# KiCad board BMS-Master.kicad_pcb (continued)
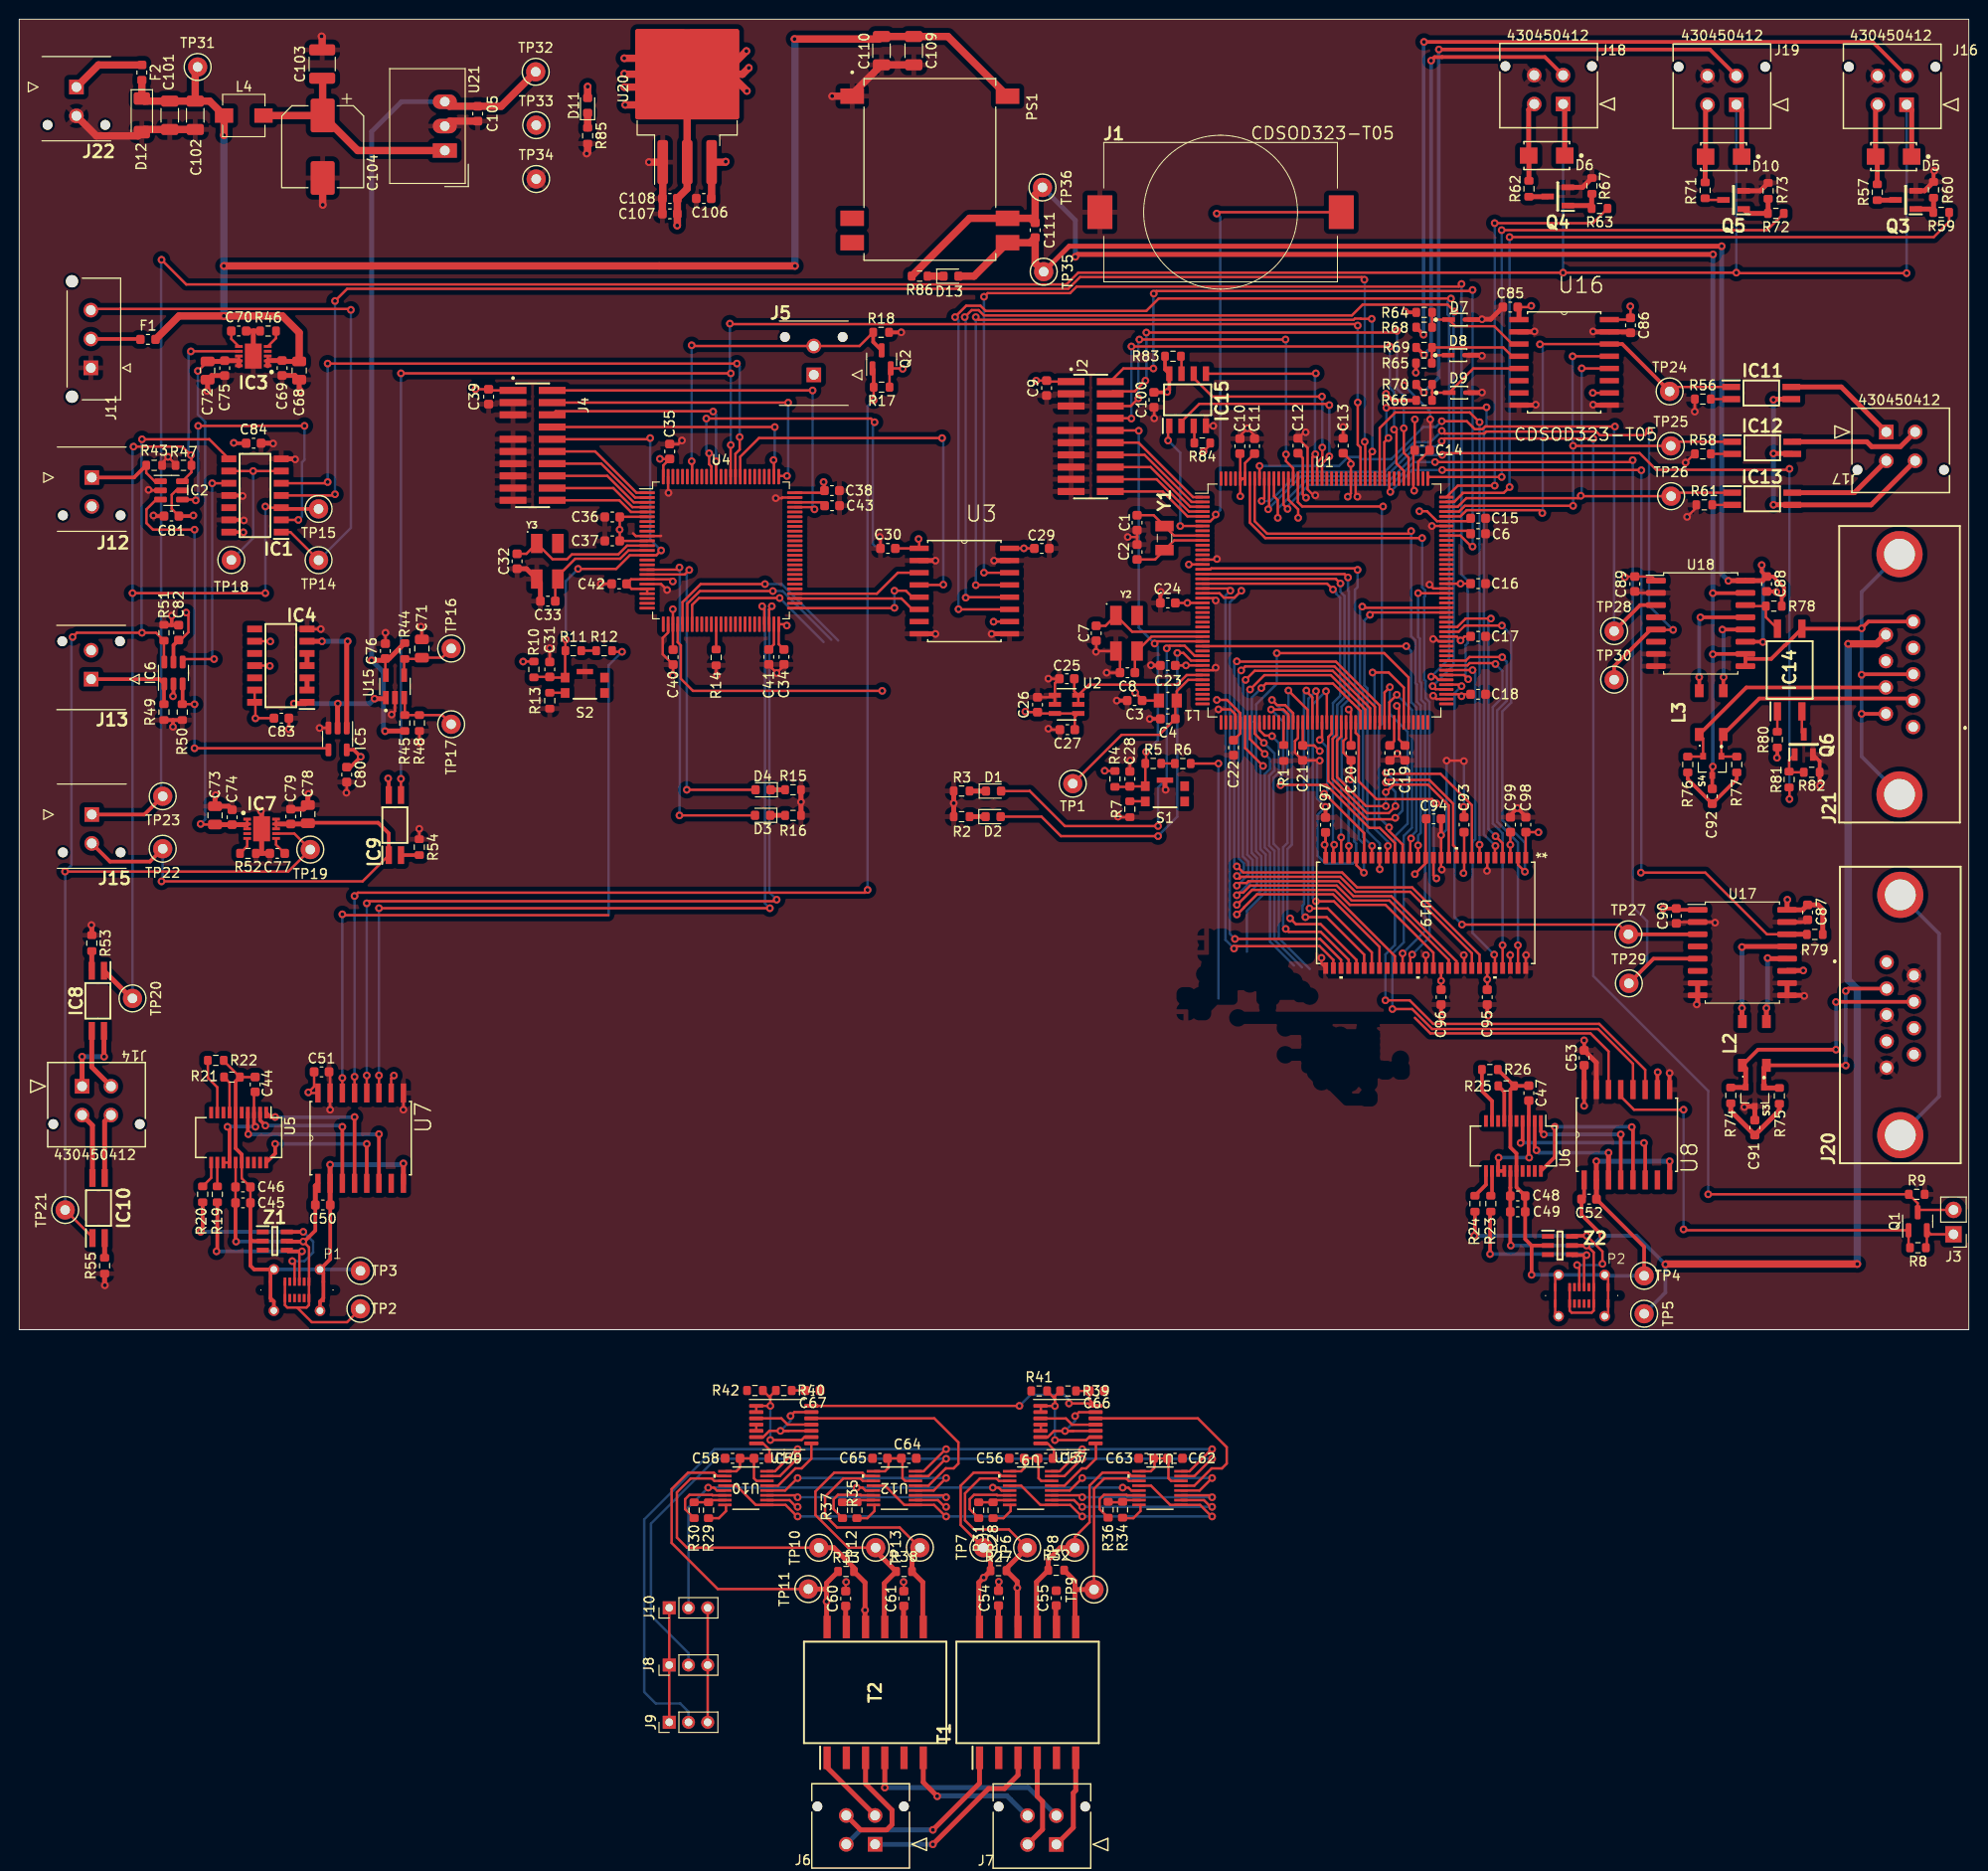
[diagram p0: board, top side]
## Routing (per net, layer and track width the routed paths; a pad name or vN(x,y) marks a point on that pad's centre or on a via; arc(x,y) is an arc through that point) (continued)
/CAN0_interface/CAN0.RX: length 105.5
  Top w0.254: U1.163 131.45,85.77 v1(131.87,85.36) ; v1(147.21,90.23) 167.56,90.23 v1(167.75,90.43)
  Top w0.381: TP29.1 169.92,38.58 U17.5
  Bottom w0.254: TP29.1 169.25,37.91 169.25,42.48 167.75,43.98 v1(167.75,90.43) ; v1(147.21,90.23) 145.01,90.23 142.64,87.85 134.09,87.85 131.87,85.63 v1(131.87,85.36)
/CAN0_interface/CAN0.TRANS_STBY_CTRL: length 90.3
  Top w0.254: U17.14 181.71,41.12 175.31,47.53 v1(168.61,47.53) ; U1.141 142.45,87.23 v1(142.56,87.13) ; v1(147.95,89.4) 168.63,89.4 v1(168.66,89.38)
  Top w0.508: R79.1 185.84,41.12 U17.14
  Bottom w0.254: v1(147.95,89.4) 144.83,89.4 v1(142.56,87.13) ; v1(168.61,47.53) 168.66,47.58 v1(168.66,89.38)
/CAN0_interface/CAN0.TX: length 52
  Top w0.254: TP27.1 166.3,42.13 v1(150,42.13) ; v1(149.96,66.93) 149.8,67.08 U1.93
  Top w0.381: TP27.1 174.5,41.11 U17.3
  Bottom w0.254: v1(149.96,66.93) 149.23,66.19 149.23,42.9 v1(150,42.13)
/CAN0_interface/CAN0_H: length 27.5
  Top w0.381: v1(188.89,34.07) 188.91,34.09 197,34.09 ; v1(188.89,29.12) 180.79,29.12 L2.1
  Top w0.508: R74.1 179.46,25.19 S3.2 179.5,27.14 L2.1
  Bottom w0.381: v1(188.89,29.12) v1(188.89,34.07)
/CAN0_interface/CAN0_L: length 24.4
  Top w0.381: L2.2 189.89,27.49 v1(189.91,27.47) ; v1(189.91,35.22) 190.16,35.47 J20.2
  Top w0.508: R75.1 181.49,25.14 S3.1 181.4,27.24 L2.2
  Bottom w0.381: v1(189.91,27.47) v1(189.91,35.22)
/CAN0_interface/CAN1.RX: length 77.2
  Top w0.254: v1(147.91,93.48) 148.19,93.19 152.32,93.19 152.53,93.4 163.96,93.4 164.33,93.03 169,93.03 v1(169.46,93.48) ; U1.167 129.45,86.45 v1(129.18,86.18) ; v1(171.96,72.78) 170.21,72.78 U18.5
  Top w0.381: U18.5 169.64,72.81 165.83,69 TP30.1
  Bottom w0.254: v1(147.91,93.48) 146.74,92.31 145.06,92.31 141.97,89.22 133.09,89.22 130.05,86.18 v1(129.18,86.18) ; v1(169.46,93.48) 169.46,75.28 v1(171.96,72.78)
/CAN0_interface/CAN1.TRANS_STBY_CTRL: length 97.1
  Top w0.254: v1(147.95,90.98) 148.12,91.15 168.48,91.15 170.21,89.43 183.95,89.43 v1(184.06,89.53) ; v1(130.86,84.43) 130.86,86.28 130.45,86.68 U1.165 ; v1(184.06,55.18) 184.06,56.35 184.01,56.39
  Bottom w0.254: v1(147.95,90.98) 145.11,90.98 144.36,90.23 144.36,90.21 142.45,88.31 133.79,88.31 130.86,85.37 v1(130.86,84.43) ; v1(184.06,89.53) v1(184.06,55.18)
/CAN0_interface/CAN1.TX: length 67.6
  Top w0.254: U1.168 128.95,89.82 v1(128.96,89.83) ; v1(165.91,93.93) 152.41,93.93 152.13,93.65 151.33,93.65 150.51,94.48 v1(147.91,94.48)
  Top w0.381: TP28.1 168.53,75.35 U18.3
  Bottom w0.254: v1(147.91,94.48) 147.88,94.48 147.28,93.88 145.99,93.88 142.64,90.53 139.5,90.53 139.28,90.75 138.15,90.75 137.22,89.83 v1(128.96,89.83) ; TP28.1 165.83,93.85 v1(165.91,93.93)
/CAN0_interface/CAN1_H: length 25.5
  Top w0.254: R76.1 175.04,59.6 S4.2 175.08,61.5 L3.1
  Top w0.381: J21.7 179.56,66.79 L3.1
/CAN0_interface/CAN1_L: length 25.3
  Top w0.254: R77.1 177.01,59.6 S4.1 176.98,61.7 L3.2
  Top w0.381: L3.2 180.92,65.64 196.69,65.64 J21.2
/Contactors/Contactor_ctrl0: length 80.6
  Top w0.254: v1(154.96,87.63) 154.36,87.03 150.06,87.03 150.06,86.94 149.22,86.1 148.4,86.1 U1.131 ; v1(154.96,113.62) 199.05,113.62 200.66,115.23 R59.1
  Bottom w0.254: v1(154.96,113.62) v1(154.96,87.63)
/Contactors/Contactor_ctrl1: length 45.2
  Top w0.254: R63.1 163.61,115.08 v1(153.41,115.08) ; v1(153.41,87.78) 149.57,87.78 U1.132
  Bottom w0.254: v1(153.41,87.78) v1(153.41,115.08)
/Contactors/Contactor_ctrl2: length 63.5
  Top w0.254: v1(154.13,114.35) 181.72,114.35 R72.1 ; v1(154.13,88.68) 146.62,88.68 U1.133
  Bottom w0.254: v1(154.13,114.35) v1(154.13,88.68)
/Contactors/Contactor_feedback0: length 50.2
  Top w0.25: TP24.1 172.06,98.04 IC11.1
  Top w0.254: U1.128 149.85,84.58 150.49,85.23 158.06,85.23 v1(158.36,84.93) ; v1(158.11,102.48) 158.13,102.5 U16.14
  Top w0.381: U16.14 166.67,102.5 TP24.1
  Bottom w0.254: v1(158.11,102.48) 158.4,102.18 158.4,84.97 v1(158.36,84.93)
/Contactors/Contactor_feedback1: length 49.6
  Top w0.25: TP25.1 172.16,92.34 IC12.1
  Top w0.254: v1(161.5,101.23) 161.51,101.23 U16.13 ; v1(161.56,91.93) 161.57,91.91 TP25.1 ; U1.129 149.71,85.08 150.3,85.68 161.55,85.68 v1(161.56,85.68)
  Bottom w0.254: v1(161.5,101.23) 161.5,91.98 v1(161.56,91.93) v1(161.56,85.68)
/Contactors/Contactor_feedback2: length 46.5
  Top w0.25: IC13.1 172.11,87.04 TP26.1
  Top w0.254: TP26.1 162.4,86.68 v1(162.36,86.73) 162.11,86.48 150.46,86.48 149.56,85.58 U1.130 ; U16.12 162.47,99.96 v1(162.46,99.98)
  Bottom w0.254: v1(162.36,86.73) 162.46,86.83 v1(162.46,99.98)
/Contactors/Contactor_out0: length 8.4
  Top w0.508: J16.2 193,127.17 D5.2 193.18,121.82 R57.1
/Contactors/Contactor_out1: length 8.2
  Top w0.508: J18.2 156.94,126.89 D6.2 156.96,122.08 R62.1
/Contactors/Contactor_out2: length 8.2
  Top w0.508: J19.2 175.33,127.19 D10.2 175.29,121.95 R71.1
/Contactors/contactors_com_pos: length 316.3
  Top w0.254: v1(196.23,109.88) 178.58,109.88 v1(178.53,109.93) v1(160.51,109.93) 110.11,109.93 108.88,108.7 17.36,108.7 v1(14.8,111.26)
  Top w0.381: J15.1 13.02,53.57 TP23.1
  Top w0.508: D5.1 196.76,126.87 J16.1 ; J18.1 160.69,127.29 D6.1 ; J19.1 179.09,126.84 D10.1
  Bottom w0.254: v1(196.23,109.88) J16.1 ; v1(14.8,111.26) 14.75,111.22 14.75,55.64 TP23.1 ; v1(160.51,109.93) J18.1 ; v1(178.53,109.93) J19.1
/Contactors/feedback0: length 83.2
  Top w0.381: R68.1 145.25,104.23 v1(146,103.48) ; v1(146.06,133.93) 192.7,133.93 J16.3
  Bottom w0.381: v1(146,103.48) 146,133.88 v1(146.06,133.93)
/Contactors/feedback1: length 46.7
  Top w0.381: R69.1 145.28,102.15 v1(146.06,101.38) ; J18.3 158.62,132.35 147.94,132.35 147.93,132.35 147.16,132.35 v1(146.8,131.98)
  Bottom w0.381: v1(146.8,131.98) 146.8,102.12 v1(146.06,101.38)
/Contactors/feedback2: length 69.6
  Top w0.381: J19.3 175.79,133.14 v1(147.61,133.14) ; v1(146.04,97.46) 145.24,98.25 R70.1
  Bottom w0.381: v1(146.04,97.46) 147.59,99 147.59,133.12 v1(147.61,133.14)
/isoSPI_interface/CS0_F: length 7.4
  Top w0.254: 107.33,-16.23 108.67,-16.23 110.47,-14.43 110.94,-14.43 111.94,-13.43 111.94,-11.84
/isoSPI_interface/CS0_rv: length 22.2
  Top w0.254: U13.12 122.54,-9.23 125.54,-12.23 125.54,-13.93 125.04,-14.43 123.97,-14.43 122.17,-16.23 120.83,-16.23
/isoSPI_interface/CS1_F: length 7.4
  Top w0.254: U10.5 78.89,-16.23 80.69,-14.43 81.34,-14.43 82.36,-13.42 U14.8
/isoSPI_interface/CS1_rv: length 23.9
  Top w0.254: U14.12 95.14,-9.23 97.64,-11.73 97.64,-13.93 97.14,-14.43 96.38,-14.43 96.37,-14.43 96.32,-14.43 94.52,-16.23 93.18,-16.23
/isoSPI_interface/OUT0_N: length 22.9
  Top w0.254: TP7.1 97.88,-20.32 97.88,-16.23 99.23,-14.88 101.81,-14.88 102.16,-15.23 103.07,-15.23
  Top w0.508: TP7.1 100.99,-23.43 R27.1 v1(100.28,-25.79) 99.77,-26.3 99.77,-30.97
  Bottom w0.254: 100.61,-25.45 v1(100.28,-25.79)
/isoSPI_interface/OUT0_N_rv: length 23.9
  Top w0.254: 116.57,-15.23 115.66,-15.23 115.31,-14.88 112.63,-14.88 111.28,-16.23 111.28,-20.03 109.74,-21.57 TP8.1
  Top w0.508: 105.77,-30.97 105.77,-26.25 R32.2 106.99,-23.93 108.24,-22.68 TP8.1
/isoSPI_interface/OUT0_P: length 25.7
  Top w0.254: 103.07,-15.73 101.86,-15.73 101.61,-15.48 99.88,-15.48 98.34,-17.03 98.34,-19.84 99.28,-20.78 102.9,-20.78 TP6.1
  Top w0.508: 102.62,-25.05 R27.2 ; R27.2 102.64,-24.83 TP6.1 ; R27.2 103.77,-26.2 v1(103.77,-26.85) 103.77,-30.97
  Bottom w0.254: 103.86,-26.94 v1(103.77,-26.85)
/isoSPI_interface/OUT0_P_rv: length 24.4
  Top w0.254: TP9.1 111.74,-16.55 112.82,-15.48 115.11,-15.48 115.36,-15.73 116.57,-15.73
  Top w0.508: 109.77,-27.03 TP9.1 ; 109.77,-27.03 109.77,-26.15 R32.1 108.64,-24.85 ; 109.77,-27.03 109.77,-30.97
/isoSPI_interface/OUT1_N: length 36.5
  Top w0.254: 73.48,-15.23 72.57,-15.23 72.22,-14.88 69.53,-14.88 67.83,-16.58 67.83,-22.18 72.63,-26.98 TP11.1
  Top w0.508: TP11.1 83.94,-26.98 ; 83.94,-26.98 83.94,-26.35 R33.1 ; 83.94,-26.98 v1(83.94,-28.28) 83.94,-30.99
/isoSPI_interface/OUT1_N_rv: length 26.9
  Top w0.254: TP12.1 86.18,-22.68 82.78,-19.28 82.78,-16.83 84.73,-14.88 87.66,-14.88 88.01,-15.23 88.92,-15.23
  Top w0.508: 89.94,-30.99 89.94,-26.38 R38.2 89.04,-23.02 TP12.1
/isoSPI_interface/OUT1_P: length 36.9
  Top w0.254: 73.48,-15.73 72.27,-15.73 72.02,-15.48 69.82,-15.48 68.38,-16.92 68.38,-21.63 69.43,-22.68 TP10.1
  Top w0.508: TP10.1 84.69,-22.68 86.79,-24.77 R33.2 87.94,-26.3 v1(87.94,-29.17) 87.94,-30.99
/isoSPI_interface/OUT1_P_rv: length 28.3
  Top w0.254: 88.92,-15.73 87.71,-15.73 87.46,-15.48 85.68,-15.48 83.78,-17.38 83.78,-19.33 85.03,-20.58 91.55,-20.58 TP13.1
  Top w0.508: TP13.1 92.82,-23.5 R38.1 93.94,-26.27 93.94,-30.99
/isoSPI_interface/PHA_0: length 103.2
  Top w0.254: v1(80.93,-12.43) 80.88,-12.43 78.58,-14.73 U10.8 ; 110.47,-12.44 110.52,-12.44 ; 120.83,-14.73 121.67,-14.73 123.97,-12.43 v1(124.02,-12.43) ; 107.33,-14.73 108.17,-14.73 110.47,-12.43 v1(110.52,-12.43) ; 93.18,-14.73 94.02,-14.73 96.32,-12.43 v1(96.37,-12.43)
  Bottom w0.254: v1(124.02,-12.43) v1(80.93,-12.43) 72.28,-12.43 64.98,-19.73 64.98,-37.68 66.18,-38.88 68.73,-38.88 69.58,-39.73 J9.2
/isoSPI_interface/POL_0: length 93.3
  Top w0.254: 120.83,-15.23 122.17,-15.23 123.97,-13.43 v1(124.02,-13.43) ; 93.18,-15.23 94.52,-15.23 96.32,-13.43 v1(96.37,-13.43) ; 107.33,-15.23 108.67,-15.23 110.47,-13.43 v1(110.52,-13.43) ; U10.7 79.08,-15.23 80.88,-13.43 v1(80.93,-13.43) ; 110.52,-13.44 110.47,-13.44
  Bottom w0.254: v1(124.02,-13.43) v1(80.93,-13.43) 72.43,-13.43 65.68,-20.18 65.68,-29.73 69.58,-33.63 J8.2
/isoSPI_interface/SLOW: length 63.9
  Top w0.254: 88.81,-16.73 87.97,-16.73 87.67,-16.43 v1(87.07,-16.43) ; v1(71.63,-16.43) 72.23,-16.43 72.53,-16.73 U10.13 ; v1(101.22,-16.43) 101.82,-16.43 102.12,-16.73 102.96,-16.73 ; 116.46,-16.73 115.62,-16.73 115.32,-16.43 v1(114.72,-16.43)
  Bottom w0.254: v1(114.72,-16.43) v1(71.63,-16.43) 69.58,-18.48 J10.2
/MCU0_Memory/EEPROM.CS: length 13.3
  Top w0.254: U1.7 120.72,83.58 v1(120.72,83.58) ; v1(119.44,92.47) 119.44,93.87 IC15.1
  Bottom w0.254: v1(119.44,92.47) 120.72,91.2 v1(120.72,83.58)
/MCU0_Memory/EEPROM.MISO: length 24.6
  Top w0.254: U1.155 135.45,90.06 v1(136.21,90.82) ; IC15.2 120.84,94.43 122.69,96.28 136.08,96.28 v1(136.21,96.15)
  Bottom w0.254: v1(136.21,96.15) v1(136.21,90.82)
/MCU0_Memory/EEPROM.MOSI: length 22.6
  Top w0.254: v1(134.76,91.05) 134.45,90.74 U1.157 ; IC15.5 134.78,99.42 v1(134.81,99.45)
  Bottom w0.254: v1(134.76,91.05) 134.72,91.08 134.72,99.36 v1(134.81,99.45)
/MCU0_Memory/EEPROM.SCK: length 23.3
  Top w0.254: U1.156 134.95,90.2 135.48,90.73 v1(135.48,91.75) ; v1(135.45,97.04) 124.05,97.04 122.11,98.98 IC15.6
  Bottom w0.254: v1(135.48,91.75) 135.48,97.01 v1(135.45,97.04)
/MCU0_Memory/MCU0_RAM.A0: length 50.1
  Top w0.254: U1.16 123.84,79.08 123.93,79.17 138.99,79.17 v1(139.15,79.02) ; U19.23 139.03,48.3 v1(139.81,47.53)
  Bottom w0.254: v1(139.81,47.53) 139.81,50.51 139.26,51.06 139.26,66.31 138.88,66.69 138.88,76.95 139.15,77.22 v1(139.15,79.02)
/MCU0_Memory/MCU0_RAM.A1: length 45.1
  Top w0.254: U19.24 138.23,50.29 v1(138.24,50.3) ; U1.17 137.79,78.58 v1(138.15,78.22)
  Bottom w0.254: v1(138.15,78.22) 138.15,76.87 138.24,76.78 138.24,65.54 137.5,64.79 137.5,57.11 138.21,56.4 138.21,50.34 v1(138.24,50.3)
/MCU0_Memory/MCU0_RAM.A2: length 43.7
  Top w0.254: U19.25 137.44,49.1 v1(137.44,51.2) ; v1(137.37,77.6) 136.89,78.08 U1.18
  Bottom w0.254: v1(137.37,77.6) 137.37,76.73 137.79,76.31 137.79,65.73 137.04,64.98 137.04,56.92 137.44,56.52 v1(137.44,51.2)
/MCU0_Memory/MCU0_RAM.A3: length 42.4
  Top w0.254: U1.19 135.98,77.58 v1(136.59,76.97) ; U19.26 136.63,50.35 v1(136.72,50.43)
  Bottom w0.254: v1(136.72,50.43) 136.59,50.56 136.59,65.17 137.33,65.91 137.33,76.12 136.92,76.54 136.92,76.65 v1(136.59,76.97)
/MCU0_Memory/MCU0_RAM.A4: length 52.7
  Top w0.254: U1.20 125.7,77.08 v1(125.92,76.86) ; v1(126.3,39.64) 126.54,39.88 135.21,39.88 136.63,38.46 U19.29
  Bottom w0.254: v1(125.92,76.86) 125.41,76.35 125.41,40.53 v1(126.3,39.64)
/MCU0_Memory/MCU0_RAM.A5: length 54.3
  Top w0.254: v1(126.4,40.63) 135.25,40.63 137.43,38.46 U19.30 ; v1(127.06,76.85) 126.35,76.13 125.24,76.13 124.79,76.58 U1.21
  Bottom w0.254: v1(127.06,76.85) 125.87,75.65 125.87,65.09 125.88,65.08 125.88,64.15 125.87,64.14 125.87,41.16 v1(126.4,40.63)
/MCU0_Memory/MCU0_RAM.A6: length 37.3
  Top w0.254: U1.60 132.45,64.12 131.62,64.95 130.79,64.95 v1(130.25,65.49) ; v1(131.68,41.68) 131.98,41.37 135.31,41.37 138.23,38.46 U19.31
  Bottom w0.254: v1(131.68,41.68) 131.41,41.95 131.41,50.17 131.86,50.62 131.86,63.87 v1(130.25,65.49)
/MCU0_Memory/MCU0_RAM.A7: length 37.8
  Top w0.254: v1(132.13,42.78) 132.74,42.17 135.31,42.17 139.03,38.45 139.03,37.6 ; U1.63 133.95,64.47 v1(131.96,66.47)
  Bottom w0.254: v1(132.13,42.78) 131.86,43.05 131.86,49.98 132.32,50.44 132.32,64.06 131.96,64.42 v1(131.96,66.47)
/MCU0_Memory/MCU0_RAM.A8: length 36.5
  Top w0.254: v1(133.72,42.9) 135.93,42.9 139.83,39 U19.33 ; v1(133.82,66.47) 133.82,66.38 134.45,65.76 U1.64
  Bottom w0.254: v1(133.72,42.9) 133.42,43.2 133.42,44.1 133.58,44.26 133.58,66.23 v1(133.82,66.47)
/MCU0_Memory/MCU0_RAM.A9: length 36.3
  Top w0.254: U19.34 140.63,39.23 136.06,43.8 v1(134.15,43.8) ; U1.65 134.95,66.28 v1(134.83,66.41)
  Bottom w0.254: v1(134.83,66.41) 134.03,65.62 134.03,43.92 v1(134.15,43.8)
/MCU0_Memory/MCU0_RAM.A10: length 16.4
  Top w0.254: v1(135.21,61.33) 135.45,61.56 U1.66 ; v1(135.67,55.73) 135.74,55.73 139.83,51.64 U19.22
  Bottom w0.254: v1(135.21,61.33) 136,60.53 136,56.06 v1(135.67,55.73)
/MCU0_Memory/MCU0_RAM.A11: length 36.6
  Top w0.254: v1(134.82,44.55) 136.69,44.55 141.43,39.81 U19.35 ; U1.67 135.95,66.31 v1(135.86,66.4)
  Bottom w0.254: v1(135.86,66.4) 134.49,65.02 134.49,44.88 v1(134.82,44.55)
/MCU0_Memory/MCU0_RAM.BA0: length 36.6
  Top w0.254: v1(140.44,74.34) 140.68,74.58 U1.108 ; v1(141.46,47.88) 141.43,47.9 U19.20
  Bottom w0.254: v1(140.44,74.34) 139.86,73.76 139.86,66.99 140.17,66.68 140.17,51.85 141.46,50.56 v1(141.46,47.88)
/MCU0_Memory/MCU0_RAM.BA1: length 35.5
  Top w0.254: v1(139.64,75.2) 139.77,75.07 148.36,75.07 U1.109 ; v1(140.65,50.3) 140.63,50.28 U19.21
  Bottom w0.254: v1(139.64,75.2) 139.4,74.96 139.4,66.81 139.71,66.5 139.71,51.25 v1(140.65,50.3)
/MCU0_Memory/MCU0_RAM.D0: length 35.1
  Top w0.254: v1(156.55,47.63) 155.83,48.34 U19.2 ; U1.104 149.66,72.58 150.31,73.23 v1(154.16,73.23)
  Bottom w0.254: v1(154.16,73.23) 155.12,72.26 155.12,65.21 154.21,64.3 154.21,52.98 156.55,50.63 v1(156.55,47.63)
/MCU0_Memory/MCU0_RAM.D1: length 30.6
  Top w0.254: v1(153.01,73.95) 150.39,73.95 149.52,73.08 U1.105 ; U19.4 154.23,50.58 v1(153.49,51.32)
  Bottom w0.254: v1(153.49,51.32) 152.75,52.06 152.75,73.7 v1(153.01,73.95)
/MCU0_Memory/MCU0_RAM.D2: length 65.6
  Top w0.254: v1(142.14,95.88) 142.17,95.85 152.47,95.85 v1(152.56,95.93) ; U19.5 153.43,50.25 v1(153.48,50.3) ; U1.142 141.93,88.51 141.93,92.3 v1(142.36,92.73)
  Bottom w0.254: v1(152.56,95.93) 152.56,95.92 152.56,94.07 152.28,93.8 152.28,51.5 v1(153.48,50.3) ; v1(142.14,95.88) 142.14,92.94 v1(142.36,92.73)
/MCU0_Memory/MCU0_RAM.D3: length 62
  Top w0.254: U1.143 141.45,93.77 143.07,95.39 150.81,95.39 v1(151.83,94.37) ; U19.7 v1(151.83,50.43)
  Bottom w0.254: v1(151.83,94.37) v1(151.83,50.43)
/MCU0_Memory/MCU0_RAM.D4: length 36.5
  Top w0.254: v1(142.09,57.9) 142.18,57.8 147.77,57.8 151.03,54.55 U19.8 ; v1(143.07,53.23) 142.92,53.08 140.11,53.08 136.11,57.08 136.11,61.63 136.45,61.98 U1.68
  Bottom w0.254: v1(142.09,57.9) 142.21,57.9 143.82,56.29 143.82,53.97 v1(143.07,53.23)
/MCU0_Memory/MCU0_RAM.D5: length 31.1
  Top w0.254: v1(142.09,56.9) 142.36,57.17 146.61,57.17 149.08,54.7 149.08,50.38 149.43,50.04 U19.10 ; v1(143.09,54.45) 143.09,54.42 142.39,53.72 140.11,53.72 136.56,57.27 136.56,61.45 136.95,61.84 U1.69
  Bottom w0.254: v1(143.09,54.45) 143.09,55.93 142.12,56.9 v1(142.09,56.9)
/MCU0_Memory/MCU0_RAM.D6: length 26.8
  Top w0.254: v1(142.09,55.9) 142.36,56.17 142.39,56.17 142.89,56.68 146.46,56.68 148.63,54.51 U19.11 ; v1(142.09,54.45) 140.04,54.45 137.01,57.47 137.01,61.26 137.45,61.7 U1.70
  Bottom w0.254: v1(142.09,55.9) v1(142.09,54.45)
/MCU0_Memory/MCU0_RAM.D7: length 25.6
  Top w0.254: v1(147.35,46.93) 147.03,47.24 U19.13 ; U1.73 138.95,62.07 139.27,61.75 139.27,57.02 141.12,55.17 146.9,55.17 v1(147.35,54.73)
  Bottom w0.254: v1(147.35,54.73) 147.08,54.45 147.08,47.2 v1(147.35,46.93)
/MCU0_Memory/MCU0_RAM.D8: length 62.3
  Top w0.254: v1(126.59,44.18) 126.87,44.45 126.9,44.45 128.18,45.73 136.79,45.73 138.34,44.18 142.06,44.18 147.03,39.21 U19.42 ; U1.74 139.45,64.35 138.54,65.26 138.53,65.26 136.59,67.2 129.62,67.2 v1(129.14,66.72)
  Bottom w0.254: v1(126.59,44.18) 126.87,44.45 126.9,44.45 128.68,46.24 128.68,49.04 128.14,49.59 128.14,63.2 128.15,63.21 128.15,65.73 v1(129.14,66.72)
/MCU0_Memory/MCU0_RAM.D9: length 64.4
  Top w0.254: v1(126.59,45.18) 126.87,45.45 127.25,45.45 127.99,46.18 136.98,46.18 138.53,44.63 142.46,44.63 148.63,38.46 U19.44 ; v1(127.97,66.57) 129.46,68.07 136.37,68.07 139.95,64.49 U1.75
  Bottom w0.254: v1(127.97,66.57) 127.7,66.3 127.7,63.4 127.68,63.38 127.68,49.4 128.23,48.85 128.23,46.78 126.9,45.45 126.87,45.45 v1(126.59,45.18)
/MCU0_Memory/MCU0_RAM.D10: length 65.8
  Top w0.254: v1(126.59,46.18) 126.87,46.45 127.61,46.45 127.8,46.64 137.17,46.64 138.72,45.08 142.66,45.08 149.43,38.31 U19.45 ; U1.76 140.45,64.63 136.56,68.52 128.45,68.52 v1(127.5,67.57)
  Bottom w0.254: v1(126.59,46.18) 126.87,46.45 126.9,46.45 127.78,47.33 127.78,48.67 127.23,49.21 127.23,63.57 127.24,63.59 127.24,67.31 v1(127.5,67.57)
/MCU0_Memory/MCU0_RAM.D11: length 68.9
  Top w0.254: v1(126.59,47.18) 126.87,46.9 127.06,47.09 137.35,47.09 138.91,45.54 144.64,45.54 151.03,39.14 U19.47 ; v1(127.05,68.56) 127.47,68.98 136.75,68.98 140.95,64.77 U1.77
  Bottom w0.254: v1(126.59,47.18) 126.62,47.18 127.32,47.87 127.32,48.48 126.78,49.02 126.78,63.76 126.79,63.77 126.79,65.45 126.78,65.47 126.78,68.29 v1(127.05,68.56)
/MCU0_Memory/MCU0_RAM.D12: length 70.5
  Top w0.254: v1(126.59,48.18) 126.62,48.18 127.25,47.55 137.54,47.55 139.1,45.99 144.82,45.99 151.83,38.99 U19.48 ; U1.78 141.45,64.92 136.89,69.48 126.62,69.48 v1(126.59,69.5)
  Bottom w0.254: v1(126.59,69.5) 126.32,69.23 126.32,65.28 126.33,65.27 126.33,63.96 126.32,63.95 126.32,48.45 v1(126.59,48.18)
/MCU0_Memory/MCU0_RAM.D13: length 34.9
  Top w0.254: U1.96 148.39,68.59 v1(151.1,68.59) ; U19.50 153.43,38.93 v1(153.35,39)
  Bottom w0.254: v1(151.1,68.59) 151.38,68.32 151.38,51.01 151.1,50.73 151.1,41.25 v1(153.35,39)
/MCU0_Memory/MCU0_RAM.D14: length 38
  Top w0.254: v1(153.48,69.23) 153.39,69.32 150.8,69.32 150.56,69.08 U1.97 ; v1(154.22,39.98) 154.23,39.97 U19.51
  Bottom w0.254: v1(153.48,69.23) 154.21,68.5 154.21,65.75 153.21,64.75 153.21,52.63 154.22,51.62 v1(154.22,39.98)
/MCU0_Memory/MCU0_RAM.D15: length 39.8
  Top w0.254: v1(155.82,39.98) 155.83,39.97 U19.53 ; U1.98 150.41,69.58 150.78,69.95 154.17,69.95 v1(154.19,69.93)
  Bottom w0.254: v1(155.82,39.98) 155.82,50.66 153.66,52.82 153.66,64.4 154.66,65.4 154.66,69.46 v1(154.19,69.93)
/MCU0_Memory/MCU0_RAM.NBL0: length 55.8
  Top w0.254: v1(144.72,83.05) 144.45,82.78 129.74,82.78 128.45,84.07 U1.169 ; U19.15 145.43,50.35 v1(145.44,50.36)
  Bottom w0.254: v1(145.44,50.36) 145.44,51.39 145.71,51.66 145.71,64.9 145.31,65.3 145.31,67.09 145.17,67.24 145.17,71.68 144.72,72.13 v1(144.72,83.05)
/MCU0_Memory/MCU0_RAM.NBL1: length 69.1
  Top w0.254: v1(144.82,39) 144.63,38.81 U19.39 ; v1(145.86,82.33) 129.56,82.33 127.95,83.93 U1.170
  Bottom w0.254: v1(144.82,39) 146.62,40.8 146.62,65.28 146.22,65.68 146.22,67.46 146.07,67.61 146.07,76.19 146.17,76.29 146.17,76.9 145.86,77.21 v1(145.86,82.33)
/MCU0_Memory/MCU0_RAM.SDCKE1: length 70
  Top w0.254: v1(130.75,70.36) 141.93,70.36 144.45,67.83 U1.84 ; v1(126.59,43.18) 126.87,43.45 126.9,43.45 127.32,43.88 127.32,43.91 128.69,45.28 136.6,45.28 143.03,38.85 143.03,37.6
  Bottom w0.254: v1(126.59,43.18) 126.87,43.45 126.9,43.45 129.14,45.69 129.14,49.23 128.59,49.77 128.59,62.61 128.61,62.62 128.61,65.03 130.75,67.17 v1(130.75,70.36)
/MCU0_Memory/MCU0_RAM.SDCLK: length 43.2
  Top w0.254: U1.112 145.46,76.58 v1(145.44,76.59) ; v1(143.83,39.13) U19.38
  Bottom w0.254: v1(145.44,76.59) 145.44,72.04 145.62,71.87 145.62,67.42 145.77,67.27 145.77,65.49 146.17,65.09 146.17,41.47 v1(143.83,39.13)
/MCU0_Memory/MCU0_RAM.SDNCAS: length 49.2
  Top w0.254: v1(142.42,52.24) 142.42,51.86 143.83,50.45 U19.17 ; v1(141.8,85.61) 133.39,85.61 132.94,86.06 132.94,88.5 U1.160
  Bottom w0.254: v1(142.42,52.24) 141.36,53.3 141.36,62.68 141.67,62.99 141.67,85.48 v1(141.8,85.61)
/MCU0_Memory/MCU0_RAM.SDNE1: length 27.5
  Top w0.254: v1(142.31,50.3) 142.23,50.23 U19.19 ; v1(140.71,68.34) 142.39,68.34 143.96,66.77 143.96,63.16 U1.83
  Bottom w0.254: v1(140.71,68.34) 140.91,68.14 140.91,52.13 142.31,50.73 v1(142.31,50.3)
/MCU0_Memory/MCU0_RAM.SDNRAS: length 27.3
  Top w0.254: U19.18 143.03,49.09 143.03,50.61 141.46,52.18 140.37,52.18 135.89,56.66 131.16,56.66 v1(131.13,56.63) ; v1(130.16,64.49) 131.43,64.49 131.95,63.98 U1.59
  Bottom w0.254: v1(130.16,64.49) 131.41,63.24 131.41,57.76 131.13,57.49 v1(131.13,56.63)
/MCU0_Memory/MCU0_RAM.SDNWE: length 43.9
  Top w0.254: v1(144.71,51.08) 144.63,51 U19.16 ; v1(144.21,71.08) U1.32
  Bottom w0.254: v1(144.71,51.08) 144.71,51.3 145.26,51.85 145.26,64.72 144.71,65.26 144.71,70.58 v1(144.21,71.08)
/MCU0_primary/FTDI_MCU0.DTR: length 45.6
  Top w0.254: v1(173.04,22.87) 167.89,22.87 166.51,24.25 U8.13 ; v1(173.04,10.43) 173.13,10.33 Q1.1 196.44,8.67 R8.2
  Bottom w0.254: v1(173.04,10.43) v1(173.04,22.87)
/MCU0_primary/FTDI_MCU0.RTS: length 52.9
  Top w0.254: 145.11,32.43 146.72,30.81 163.37,30.81 165.24,28.94 U8.14 ; R6.2 v1(124.69,58.88)
  Bottom w0.254: v1(124.69,58.88) 124.69,34.44
/MCU0_primary/FTDI_MCU0.RX: length 67.4
  Top w0.254: v1(143.23,66.03) 142.45,65.25 U1.80 ; U8.12 167.78,27.65 164.17,31.26 146.91,31.26 144.83,33.34 v1(142.77,33.34)
  Bottom w0.254: v1(143.23,66.03) 144.81,64.45 144.81,52.2 143.96,51.35 143.96,40.28 142.77,39.1 v1(142.77,33.34)
/MCU0_primary/FTDI_MCU0.TX: length 70.3
  Top w0.254: U1.79 141.95,66.27 v1(142.5,66.83) ; U8.11 169.05,27.02 164.28,31.8 147.02,31.8 144.57,34.25 v1(142.05,34.25)
  Bottom w0.254: v1(142.5,66.83) 142.5,66.82 142.5,64.03 144.35,62.18 144.35,52.63 143.03,51.31 143.03,40 142.05,39.02 v1(142.05,34.25)
/MCU0_primary/isoSPI0.CS: length 26.4
  Top w0.254: U1.50 127.45,60.49 v1(129.32,58.63) ; 106.22,-9.89 106.22,-10.54
  Bottom w0.254: v1(129.32,58.63) 129.05,58.35 129.05,49.96 129.59,49.42 129.59,45.5 127.64,43.56 127.64,39.32
/MCU0_primary/isoSPI0.DIR: length 4.5
  Top w0.254: v1(132.97,84.43) 132.97,85.31 131.95,86.33 U1.162
/MCU0_primary/isoSPI0.MISO: length 48
  Top w0.254: v1(129.4,61.03) 128.45,61.98 U1.52 ; 120.83,-17.23 123.82,-17.23 v1(124.02,-17.43) ; v1(110.52,-17.43) 110.32,-17.23 107.33,-17.23
  Bottom w0.254: v1(110.52,-17.43) v1(124.02,-17.43) ; v1(129.4,61.03) 130.5,59.93 130.5,58.14 129.95,57.59 129.95,50.34 130.5,49.79 130.5,40.54 133.36,37.68
/MCU0_primary/isoSPI0.MOSI: length 49.1
  Top w0.254: v1(130.25,61.73) 130.2,61.78 129.51,61.78 128.95,62.34 U1.53 ; 120.83,-17.73 123.17,-17.73 123.87,-18.43 v1(124.02,-18.43) ; 107.33,-17.73 109.67,-17.73 110.37,-18.43 v1(110.52,-18.43)
  Bottom w0.254: v1(124.02,-18.43) v1(110.52,-18.43) ; v1(130.25,61.73) 130.95,61.03 130.95,57.95 130.41,57.4 130.41,50.53 130.95,49.98 130.95,40.73 134.18,37.5
/MCU0_primary/isoSPI0.SCK: length 48.6
  Top w0.254: v1(124.02,-15.43) 122.72,-16.73 120.83,-16.73 ; v1(110.52,-15.43) 109.22,-16.73 107.33,-16.73 ; v1(129.49,59.88) 127.95,61.42 U1.51
  Bottom w0.254: 132.53,37.87 130.05,40.35 130.05,49.61 129.5,50.15 129.5,57.78 130.05,58.32 130.05,59.32 v1(129.49,59.88) ; v1(110.52,-15.43) v1(124.02,-15.43)
/MCU0_primary/MCU0_ADC_REF/VREF+_MCU0: length 16.6
  Top w0.254: U1.38 121.39,68.08 120.38,67.08 111.21,67.08 U2.6 ; U2.6 109.7,66.4 C25.1 ; U2.6 U2.5
/MCU0_primary/MCU0_BOOT: length 150.6
  Top w0.254: U1.166 129.95,85.42 v1(129.86,85.32) ; v1(175.61,14.08) 196.46,14.08 R9.1 197.39,13.15 Q1.3 197.63,12.45 J3.2 ; v1(163.66,92.68) 148.17,92.68 v1(147.9,92.4)
  Bottom w0.254: v1(163.66,92.68) 163.66,36.78 175.61,24.83 v1(175.61,14.08) ; v1(129.86,85.32) 129.86,85.34 133.28,88.76 142.16,88.76 145.25,91.86 147.35,91.86 v1(147.9,92.4)
/MCU0_primary/MCU0_NRST: length 49.6
  Top w0.254: v1(117.16,60.08) 117.16,58.97 117.08,58.88 117.08,56.53 S1.1 117.05,56.5 C28.1 115.42,56.45 R4.2 ; U1.31 118.27,71.58 v1(118.05,71.36) ; J2.10 116.37,93.52 v1(116.4,93.48)
  Bottom w0.254: v1(117.16,60.08) 118.39,61.32 118.39,71.01 v1(118.05,71.36) 116.4,73.01 v1(116.4,93.48)
/MCU0_primary/MCU0_SWCLK: length 51.3
  Top w0.254: U1.137 144.45,90.7 143.96,91.2 v1(143.96,93.74) ; v1(143.25,103.88) 143.08,103.7 v1(117.18,103.7) ; v1(117.09,98.69) 115.98,97.58 113.69,97.58 J2.04
  Bottom w0.254: v1(143.96,93.74) 143.96,97.15 143.25,97.85 v1(143.25,103.88) ; v1(117.18,103.7) 117.19,103.69 117.19,98.8 v1(117.09,98.69)
/MCU0_primary/MCU0_SWDIO: length 76
  Top w0.254: v1(117.92,99.96) 114.8,99.96 113.44,98.6 ; U1.124 149.84,82.58 150.99,81.44 v1(151.1,81.44) ; v1(117.96,107.75) 118.23,108.02 151,108.02 v1(151.1,108.13)
  Bottom w0.254: v1(117.96,107.75) 117.92,107.72 v1(117.92,99.96) ; v1(151.1,81.44) 151.1,81.44 v1(151.1,108.13)
/MCU0_primary/MCU0_SWO: length 39.4
  Top w0.254: v1(116.36,96.85) 115.56,96.06 113.44,96.06 ; v1(116.47,102.97) v1(131.66,102.97) ; U1.161 132.45,89.58 131.71,90.33 v1(131.71,91.03)
  Bottom w0.254: v1(131.66,102.97) 131.71,102.92 v1(131.71,91.03) ; v1(116.47,102.97) 116.36,102.87 v1(116.36,96.85)
/MCU0_primary/MCU0_TDI: length 50.9
  Top w0.254: v1(115.64,94.75) 115.6,94.79 J2.08 ; v1(142.94,93.61) 143.19,93.36 143.19,90.08 143.95,89.33 U1.138 ; v1(115.64,102.25) v1(142.5,102.25)
  Bottom w0.254: v1(142.5,102.25) 142.5,97.95 142.94,97.52 v1(142.94,93.61) ; v1(115.64,94.75) v1(115.64,102.25)
/MCU0_primary/MCU0_TRACECLK: length 11.9
  Top w0.254: J2.12 116.37,92.25 122.04,86.58 U1.1
/MCU0_primary/MCU0_TRACED0: length 11.6
  Top w0.254: J2.14 117,90.98 121.9,86.08 U1.2
/MCU0_primary/MCU0_TRACED1: length 11.3
  Top w0.254: J2.16 117.63,89.71 121.75,85.58 U1.3
/MCU0_primary/MCU0_TRACED2: length 11
  Top w0.254: 113.44,88.44 118.26,88.44 121.61,85.08 U1.4
/MCU0_primary/MCU0_TRACED3: length 10.7
  Top w0.254: J2.20 118.88,87.17 121.47,84.58 U1.5
/MCU0_primary/MCU_to_MCU_INTERFACE_MCU0.CS: length 127.5
  Top w0.254: U3.12 98.46,76.18 v1(98.41,76.13) ; v1(98.31,105.3) 99.03,106.03 99.76,106.03 100.31,105.48 138.55,105.48 139.67,106.6 148.52,106.6 v1(149.23,105.88) ; v1(146.95,66.92) 147.27,66.6 148.35,66.6 U1.92
  Bottom w0.254: v1(98.41,76.13) 98.41,105.2 v1(98.31,105.3) ; v1(149.23,105.88) 149.13,105.78 149.13,69.1 v1(146.95,66.92)
/MCU0_primary/MCU_to_MCU_INTERFACE_MCU0.MISO: length 130.7
  Top w0.254: v1(148.86,107.24) 118.47,107.24 117.18,105.95 100.48,105.95 99.94,106.48 98.46,106.48 97.31,105.33 v1(97.31,105.3) ; U3.11 97.67,74.91 v1(97.66,74.93) ; U1.94 147.56,67.58 147.23,67.91 v1(146.8,67.91)
  Bottom w0.254: v1(97.31,105.3) 97.66,104.95 v1(97.66,74.93) ; v1(146.8,67.91) 148.67,69.79 148.67,105.41 148.5,105.58 148.5,106.88 v1(148.86,107.24)
/MCU0_primary/MCU_to_MCU_INTERFACE_MCU0.MOSI: length 125.6
  Top w0.25: v1(100.31,107.42) 100.68,107.8 109.26,107.8 109.93,108.47 149.68,108.47 v1(149.96,108.75) ; U3.14 100.31,78.72 v1(100.31,78.73) ; v1(150.65,67.65) 150.22,68.08 U1.95
  Bottom w0.25: v1(150.65,67.65) 150.38,67.92 150.38,71.17 150.61,71.4 150.61,76.78 150.58,76.8 150.58,77.9 149.96,78.53 v1(149.96,108.75) ; v1(100.31,78.73) v1(100.31,107.42)
/MCU0_primary/MCU_to_MCU_INTERFACE_MCU0.SCK: length 89.5
  Top w0.25: U3.13 99.48,77.45 v1(99.46,77.43) ; U1.145 140.45,91.1 v1(140.68,91.33) ; v1(99.46,105.3) 99.73,105.03 138.74,105.03 138.87,105.15 139.47,105.15 139.49,105.13 v1(140.62,105.13)
  Bottom w0.25: v1(99.46,105.3) v1(99.46,77.43) ; v1(140.62,105.13) 140.69,105.05 140.69,91.34 v1(140.68,91.33)
/MCU0_primary/SHUTDOWN_ctrl_MCU0: length 154.6
  Top w0.254: IC1.4 32.7,86.75 v1(32.83,86.88) ; v1(139.89,92.34) 139.95,92.28 U1.146 ; v1(139.86,109.2) 139.58,109.47 110.29,109.47 109.07,108.25 34.1,108.25 v1(32.83,106.98)
  Bottom w0.254: v1(139.86,109.2) 139.89,109.16 v1(139.89,92.34) ; v1(32.83,86.88) v1(32.83,106.98)
/MCU0_primary/SHUTDOWN_feedback_MCU0: length 175.5
  Top w0.254: v1(73.98,92) 73.96,91.98 U4.86 ; v1(139.17,96.43) 139.17,92.04 139.45,91.75 U1.147 ; v1(39.69,57.29) 39.69,57.29 IC9.3 ; v1(39.69,99.45) v1(73.98,99.45) ; v1(73.89,104.63) 73.94,104.58 139.02,104.58 v1(139.17,104.43)
  Bottom w0.254: v1(73.98,92) 73.98,92 v1(73.98,99.45) 73.89,99.55 v1(73.89,104.63) ; v1(39.69,57.29) v1(39.69,99.45) ; v1(139.17,104.43) v1(139.17,96.43)
